# Altium PCB Spectacles.PcbDoc (continued)
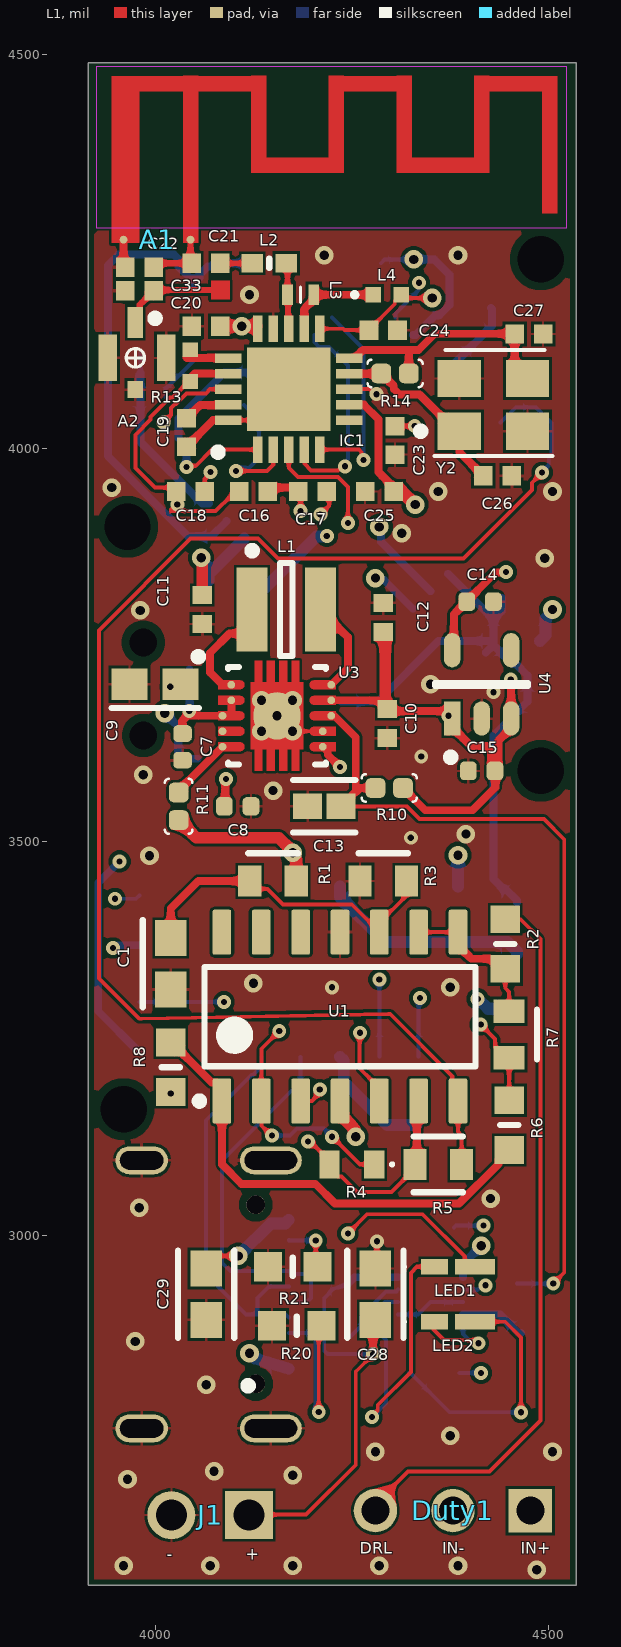
[diagram p0: L1 view]
## Part data (continued)
R20 R21: "Resistor", Manufacturer_Name="UNI-ROYAL(Uniroyal Elec)", Datasheet Link=https://datasheet.lcsc.com/szlcsc/Uniroyal-Elec-0603WAF5101T5E_C23186.pdf, Height=0.55mm, Manufacturer_Part_Number=0603WAF5101T5E
S2: "Switch", Manufacturer_Name="Nidec Copal", Mouser Part Number=229-CUS-12TB, Datasheet Link=https://www.nidec-copal-electronics.com/e/catalog/switch/cus.pdf, Height=1.4mm, Manufacturer_Part_Number=CUS-12TB, Mouser Price/Stock=https://www.mouser.co.uk/ProductDetail/Nidec-Components/CUS-12TB?qs=XeJtXLiO41Q1Ug1dC3Bq%2FQ%3D%3D
SW1: library part CMP-10040-000013-1, "TACT 5.2 X 5.2, 1.5 MM H, 260GF,", Contact Current Rating=50mA, Contact Resistance=100mΩ, Manufacturer=C&K, Operating Force=250gf, Temperature="-20°C to +70°C", Temperature Range High=+70°C, Temperature Range Low=-20°C, Voltage Rating Dc=12V, Automotive=No, Category=Switch, ComponentLink2Description=Datasheet, ComponentLink2URL=https://www.ckswitches.com/media/2780/pts526.pdf, Device Class L1=Electromechanical, Device Class L2=Switches, Device Class L3="Tactile Switches", Digikey Description="TACT 5.2 X 5.2, 1.5 MM H, 260GF,", Electromechanical Life=200000Cycles, Height=1.65mm, Lead Free=Yes, Manufacturer Part Number=PTS526SK15SMTR2LFS, Octopart=https://octopart.com/pts526+sk15+smtr2+lfs-c%26k+components-100617999, Package=PTS526SK15SMTR2LFS, RoHS=TRUE, Standoff Height=0mm, Throw Configuration=SPST-NO
U1: library part CMP-0015-00026-2, "JFET-Input Operational Amplifier, 7 to 36 V, 0 to 70 degC, 14-pin SOIC (D14), Green (RoHS & no Sb/Br)", Manufacturer="Texas Instruments", Rating=Catalog, Total Supply Voltage(Max)(+5V is 5, +/-5V is 10)=36, Total Supply Voltage(Min)(+5V is 5, +/-5V is 10)=7, CMRR(Min)(dB)=75, Code_JEDEC=MS-012, ComponentLink1Description="Manufacturer URL", ComponentLink1URL=http://www.ti.com/, ComponentLink2Description=Datasheet, ComponentLink2URL=http://www.ti.com/lit/ds/symlink/tl084a.pdf, ComponentLink3Description="Package Specification", ComponentLink3URL=http://www.ti.com/lit/ml/mpds177g/mpds177g.pdf, DatasheetVersion=SLOS081G, Eco-Plan="Green (RoHS & no Sb/Br)", GBW(Typ)(MHz)=3, IIB(Max)(pA)=200, Iq per channel(Max)(mA)=2.8, Mounting Technology="Surface Mount", Number of Channels=4, Offset Drift(Typ)(uV/C)=18, PackageDescription="14-Pin Plastic Small Outline, Body 8.65 x 3.90 mm, Pitch 1.27 mm", PackageReference=D0014A, PackageVersion="4040047-5/M, 06/2011", PartNumber=TL084ACDR, Slew Rate(Typ)(V/us)=13, Sub Family="General Purpose Amplifier, High Supply Voltage Amplifier (>=30V)", Vio (25C)(Max)(mV)=6, Vn at 1kHz(Typ)(nV/rtHz)=18
U2: library part CMP-0095-00269-2, "8-bit AVR Microcontroller, 32KB Flash, 1KB EEPROM, 2KB SRAM, 32-pin TQFP, Industrial Grade (-40°C to 85°C)", Code_JEDEC=MS-026-ABA, ComponentLink1Description="Manufacturer URL", ComponentLink1URL=http://www.atmel.com/, ComponentLink2Description="ATmega48A/48PA/88A/88PA/168A/168PA/328/328P Datasheet", ComponentLink2URL=http://www.atmel.com/dyn/resources/prod_documents/doc8271.pdf, ComponentLink3Description="ATmega48A/48PA/88A/88PA/168A/168PA/328/328P Summary", ComponentLink3URL=http://www.atmel.com/dyn/resources/prod_documents/8271S.pdf, DatasheetVersion="revD, May-2011", PackageDescription="32-Lead, 7x7x1.0 mm Body, 0.8mm Lead Pitch, Thin Profile Plastic Quad Flat Package (TQFP)", PackageReference=32A, PackageVersion="revC, Oct-2010", RevisionNote="DatasheetVersion & PackageVersion updated. URLs added."
U3: library part CMP-04918-000043-1, "IC REG BCK BST ADJ 2A 10WSON", Ambient Temperature Range High=+85°C, Ambient Temperature Range Low=-40°C, Manufacturer="Texas Instruments", Max Junction Temp=+125°C, Max Supply Voltage=12V, Min Supply Voltage=2.5V, Nominal Supply Current=30uA, Output Current=1A, Output Voltage=2.5-8V, Package=DSC0010G, Switching Frequency=2400kHz, Temperature="-40°C to +85°C", Automotive=No, Category=IC, ComponentLink2Description=Datasheet, ComponentLink2URL=http://www.ti.com/lit/ds/symlink/tps63060.pdf, Device Class L1="Integrated Circuits (ICs)", Device Class L2="Power Management ICs", Device Class L3="Voltage Regulators - Switching", Digikey Description="IC REG BCK BST ADJ 2A 10WSON", Height=0.8mm, Ipc Land Pattern Name=DFN300X300X70-10, Lead Free=Yes, Manufacturer Part Number=TPS63060DSCR, Max Duty Cycle=100%, Mouser Description="Voltage Regulators - Switching Regulators 2.5-12Vin,2.25A Sw Crnt Limit", Number Of Outputs=1, Octopart=https://octopart.com/tps63060dscr-texas+instruments-21396306, Output Type=AdjustableProgrammable, RoHS=TRUE, Standoff Height=0mm, Switching Topology=Buck-Boost, Temperature Range High=+85°C, Temperature Range Low=-40°C
U4: library part CMP-2000-05782-2, "IC REG LINEAR 3.3V 150MA SOT23-5", Case/Package=SOT-23-5, Dropout Voltage=360mV, Max Input Voltage=24V, Max Operating Temperature=85°C, Max Output Current=250mA, Min Input Voltage=2.3V, Min Operating Temperature=-40°C, Output Current=150mA, Output Voltage=3.3V, Package Quantity=3000, Quiescent Current=50uA, Reference Voltage=1.24V, Height=1.3mm, Lead Free="Lead Free", Length=3.02mm, Mount="Surface Mount", Number Of Outputs=1, Number of Pins=5, Number of Regulators=1, Output Type=Fixed, Packaging="Tape and Reel", Polarity=Positive, Weight=0.001058oz, Width=1.7mm
U5: library part CMP-0321-00456-2, "800 mA, Single-Input, Single Cell Li-Ion Battery Charger with Auto Start. Vovp=6.6 V, 3.5 V, -40 to 85 degC, 10-pin SON (DSQ), Green (RoHS & no Sb/Br)", Manufacturer="Texas Instruments", Over Voltage Protection=N, ComponentLink1Description=Datasheet, ComponentLink1URL=http://www.ti.com/general/docs/lit/getliterature.tsp?genericPartNumber=BQ24040&fileType=pdf, DatasheetVersion=SLUS941A, Eco-Plan="Green (RoHS & no Sb/Br)", Lead Acid=N, Li-Ion=N, Li-Polymer=N, Mounting Technology="Surface Mount", NiCd=N, NiMH=N, PackageDescription="10-Pin Plastic Small Outline No-Lead, 2 x 2 x 0.8 mm Body, 0.4 mm Pitch, Exposed Pad", PackageReference=DSQ0010A, PackageVersion="revB, Apr-2010", PartNumber=BQ24040DSQR, SubFamily="Battery Charge Management", Vin(Min)(V)=3.5
U6: "USB to serial chip CH340", Package=None, Availability="Not in stock", Check_prices=https://www.snapeda.com/parts/CH340C/WCH/view-part/?ref=eda, MF=WCH, MP=CH340C, Price=None, SnapEDA_Link=https://www.snapeda.com/parts/CH340C/WCH/view-part/?ref=snap
Y1 Y2: library part CMP-2000-05039-3, "Crystal 12MHz ±20ppm (Tol) ±30ppm (Stability) 18pF FUND 120Ω 4-Pin SMD T/R", Case/Package=CSMD, ESR (Equivalent Series Resistance)=120R, Frequency=12MHz, Frequency Stability=30ppm, Frequency Tolerance=20ppm, Load Capacitance=18pF, Max Operating Temperature=85°C, Min Operating Temperature=-40°C, Operating Frequency="12 MHz", Package Quantity=1000, Depth=2.5mm, Height=1mm, Lead Free="Lead Free", Length=3.2mm, Mount="Surface Mount", Number of Pins=4, Packaging="Tape and Reel", Radiation Hardening=No, Series=ABM8G, Series Resistance=120R, Termination=SMD/SMT, Tolerance=20ppm, Width=2.5mm

## Free pads (board coordinates)
  round 0 hole 59.06 unplated: 2(3960,3160) 2(3965,3900)
  round 0 hole 59.06 unplated paste-99999: 2(4490,3590) 2(4490,4240)

## Via types
v1: diameter 17.72/17.72/17.72/17.72/17.72/17.72 (per signal layer), hole 7.87, L1 to L6, tented both sides, 52 vias
v2: diameter 23.62, hole 11.81, L1 to L6, tented both sides, 34 vias
v3: diameter 23.62/23.62/23.62/23.62/23.62/23.62 (per signal layer), hole 11.81, L1 to L6, tented both sides, 18 vias
v4: diameter 17.72, hole 7.87, L1 to L6, tented both sides, 1 vias

## Nets (pads, with @x,y where several pads share a name; then routed paths per layer and width w, separated by ;. In a path a pad name is that pad's centre, name@x,y a point inside that pad or via, vN(x,y) a via of type N, cw(c..) or ccw(c..) an arc to the next point about the centre after c; other vN are vias at no path point)
+3.3V: C14.2 C20.2 C25.1 IC1.7 IC1.15 U4.5 | length 358.2
  L1 w10: IC1.7 4265.3,4055.32 4283.86,4036.76 4283.86,3969.65 4303.11,3950.39 C25.1@4303.11,3950 ; U4.5 4379.72,3745.45 4379.72,3764.54 4379.72,3789.09 4389.21,3798.58 4390.56,3798.58 4396.14,3804.16 4396.14,3805.84 4402.11,3811.81 4402.44,3811.81 4432.85,3842.22 4445.33,3842.22 v1(4445.96,3842.85)
  L1 w15: C20.2 v3(4110,4155) IC1.15@4129.04,4155 ; C25.1@4303.11,3950 4303.11,3949.61 4307.42,3945.3 4313.66,3945.3 v3(4330.54,3928.42)
+5V: C2.2 C10.2 C11.2 C12.2 C15.2 C30.2 C34.1 C35.1 R1.1 R9.2 R10.2 R11.2 U1.4 U2.4 U2.6 U2.18 U3.9 U4.1 U4.3 U6.16 | length 1693.3
  L1 w10: U3.9 4290.53,3679.69 C10.2@4295,3675.22 ; C10.2@4295,3678.87 C10.2@4295,3675.22 ; R10.2 4343.33,3540 4403.46,3540 4432.52,3569.06 4432.52,3589.41 C15.2 ; U4.1@4372.39,3640.22 4377.6,3645.43 4400.89,3622.14 ; v1(4372.9,3659.96) 4376.18,3656.67 U4.1 ; U4.1@4377.6,3660.36 4372.05,3665.91 4300,3665.91 4295,3670.91 C10.2@4295,3675.22 ; 4401.59,3621.43 4421.01,3621.43 4426.87,3615.57 4426.87,3596.76 4427.92,3595.7 4436.45,3595.7 4436.45,3628.54 4452.4,3644.49 4452.4,3705.6 v1(4452,3706)
  L1 w15: R11.2 4052.39,3505.11 4157.44,3505.11 4174.96,3487.59 v3(4174.96,3485.85) ; v3(4058.58,3860.71) 4060,3859.29 C11.2@4060,3817.42 ; v3@4175,3485 4175,3483.48 4179.53,3478.95 R1.1 R1.1@4179.53,3445 ; U1.4 4235,3153.7 4253.35,3135.35 4253.35,3126.65 v3(4255,3125) ; C12.2@4290,3759.56 4292.5,3757.06 4292.5,3681.37 C10.2@4295,3678.87
  L3 w15: v3(4058.58,3860.71) 4086.33,3888.46 v1(4218.25,3888.46)
  L6 w5: C2.2 4291.6,4239.67 4328.54,4239.67 v3(4328.78,4239.91)
  L6 w10: U2.18 4331.32,4143.99 4356.34,4169.01 4361.23,4169.01 4374,4181.78 4374,4220.81 4354.91,4239.91 v3(4328.78,4239.91)
  L6 w15: v3(4058.58,3860.71) 4058.58,3858.38 4068.03,3848.92 C35.1 ; C35.1@4068.03,3839.84 U2.6 ; C34.1 4118.03,3786.4 4125,3793.37 4125,3807.73 4205.21,3887.94 4217.73,3887.94 v1(4218.25,3888.46) ; U6.16 v3(4385,3482.87) ; v1(4410,3300) 4410.74,3300 4423.18,3287.56 C30.2 ; R9.2 4496.32,3762.26 4496.32,3783.99 4505,3792.67 v3(4505,3795)
AT: C21.1 L2.2 | length 44.6
  L1 w6.76: C21.1@4080,4231.89 C21.1 L2.2
CE: IC1.1 U2.12 | length 303.3
  L1 w5: v1(4040,3976.22) 4041.48,3977.7 4051.84,3977.7 4072.37,3998.23 IC1.1
  L6 w10: v1(4040,3976.22) 4040,4002.76 4029.63,4013.12 4029.63,4037.57 4088.03,4095.97 4116.76,4095.97 U2.12
CSN: IC1.2 U2.11 | length 180.9
  L1 w5: v1(4102.96,3971.06) 4142.33,3971.06 4150.32,3979.05 IC1.2
  L6 w5: v1(4102.96,3971.06) 4106.4,3971.06 4110.34,3975 4119.54,3975 4132.07,3987.53 4132.07,4036.12 U2.11
D+: J2.A6 J2.B6 U6.5 | length 481.5
  L6 w5: J2.A6 4193.03,2915 4198.44,2920.41 4198.44,2947.29 4194.76,2950.96 4173.41,2950.96 J2.B6 4095.63,2954.37 4085,2965 4085,3095 4185,3195 U6.5
D-: J2.A7 J2.B7 U6.6 | length 501.3
  L6 w5: U6.6 4135,3213.85 4124.64,3203.5 4122.4,3203.5 4065,3146.1 4065,2950 4115.53,2899.47 4130,2899.47 ; J2.B7 4165.84,2899.47 4130,2899.47 ; J2.A7 4144.69,2934.69 4130,2920 4130,2899.47
GND: A1.2 A2.2 A2.3 A2.4 C1.2 C2.1 C3.1 C4.2 C5.1 C6.1 C7.1 C8.1 C9.2 C10.1 C11.1 C12.1 C13.1 C14.1 C15.1 C20.1 C22.1 C23.1 C24.1 C25.2 C26.1 C27.1 C28.2 C29.2 C30.1 C32.1 C33.1 C34.2 C35.2 IC1.8 IC1.14 J1.2 J2.A1_B12 J2.B1_A12 J2.S1 J2.S2 J2.S3 J2.S4 R3.2 R12.1 R17.1 R18.1 R19.1 R20.1 R21.2 S2.3 S2.MP1 S2.MP2 S2.MP3 S2.MP4 SW1.1 SW1.2 U1.11 U2.3 U2.5 U2.21 U3.7 U3.11 U4.2 U5.3 U5.7 U5.11 U6.1 Y1.2 Y1.4 Y2.2 Y2.4 | length 336.7
  L1 w5: C9.2 C9.2@3976,3700 ; U3.11@4165,3635 v3@4174.69,3635 ; v3(4174.69,3640.32) U3.7 ; IC1.8 4272.61,4075 4278.97,4068.64 v1(4281.36,4068.64) ; C28.2 4281.91,2959.47 v4(4281.91,2992.2)
  L1 w10: A1.2 3960,4231.89 C22.1
  L6 w5: C6.1 4013.11,4075 4048.47,4110.36 Y1.2 ; v3@4165,3635 v3(4174.69,3640.32) ; U5.7 4334.25,2899.25 U5.11 U5.3
  other v1: 4225,3315 4325,3505 4338.23,3608.11 4430,3690
  other v2: 4485,2575 3960,2580 4070,2580 4175,2580 4285,2580 4385,2580 3965,2690 4175,2695 4075,2700 4280,2725 4505,2725 4375,2745 4065,2810 3975,2865 3980,3035 4426.37,3046.56 4375,3315 4125,3320 3992.92,3482.08 4395,3509.69 4150,3565 3985,3585 4350,3700 3981.15,3793.85 4495,3860 4313.44,3892.07 4360,3945 4505,3945 3945,3950 4120,4195 4215,4245 4385,4245
  other v3: 4135.32,3640.32 4155,3660 4135.32,3679.69 4174.69,3679.69
MISO: IC1.5 U2.16 | length 263.5
  L1 w5: IC1.5 4259.24,3998.23 4262.57,3994.9 4262.57,3987.43 v1(4265,3985)
  L6 w5: U2.16 4258.09,4132.81 4265,4125.9 v1(4265,3985)
MOSI: IC1.4 U2.15 | length 268.9
  L1 w5: IC1.4 4189.69,3980.31 4198.3,3971.7 4232.57,3971.7 4237.82,3976.96 v1(4241.26,3976.96)
  L6 w5: U2.15 4202.36,4135 4208.6,4128.76 4221.24,4128.76 4245,4105 4245,3986.25 4243.69,3984.94 4243.69,3979.39 v1(4241.26,3976.96)
NetA1_1: A1.1 C21.2 C22.2 | length 81.6
  L1 w8.11: C22.2 4003.11,4235 C21.2 4045,4236.89 A1.1
NetA2_1: A2.1 C33.2 | length 133.5
  L1 w8.11: A2.1 3980.79,4165.79 3980.79,4182.28 3998.11,4199.61 C33.2 3999.11,4201 4076,4201 4080,4205
NetC1_1: C1.1 R1.2 R3.1 U1.10 | length 421.3
  L1 w5: R1.2@4120.47,3445 4120.47,3440 4142.65,3440 4162.59,3420.06 4249.94,3420.06 U1.10 4285,3397 4320,3432 R3.1@4320,3445
  L1 w10: C1.1 4020,3415 4055,3450 4115.47,3450 R1.2@4120.47,3445
NetC4_1: C4.1 U2.20 | length 102.4
  L6 w10: U2.20 4428.31,4155.58 4428.31,4176.69 C4.1
NetC5_2: C5.2 U2.7 Y1.1 | length 667.3
  L6 w10: Y1.1 4056.77,4216.61 4044.1,4216.61 4029.84,4230.87 4029.84,4240.14 4023.99,4246 3953.79,4246 3940,4232.21 3940,3990 4041.97,3888.03 4071.67,3888.03 U2.7 ; Y1.1@4054.8,4218.58 4067.09,4230.87 4071.02,4230.87 4075.16,4235 C5.2
NetC6_2: C6.2 U2.8 Y1.3 | length 265.9
  L6 w5: C6.2 3976.89,4091 3981.54,4095.65 Y1.3
  L6 w10: Y1.3@3981.54,4095.65 3981.54,4091 3981.54,4065 3981.54,4008.02 4059.92,3929.63 U2.8
NetC7_2: C7.2 C8.2 S2.2 U3.2 U3.3 | length 300.8
  L1 w10: C7.2 4034.74,3637.7 4034.74,3654.14 4040.6,3660 U3.3 4095.04,3660 4096.93,3661.89 U3.2 ; v1@4041.42,3660.45 4041.96,3661 4041.96,3664.5 v1(4043.44,3665.97) ; C8.2 4089.14,3546.07 4089.14,3578.54 v1(4090.22,3579.61)
  L3 w10: v1(4043.44,3665.97) 4041.96,3664.5 4041.96,3627.54 4089.89,3579.61 v1(4090.22,3579.61)
  L6 w10: v1@4043.9,3666.81 S2.2@4043.9,3718.58
NetC9_1: C9.1 U3.6 | length 292.6
  L1 w10: U3.6 4219.38,3614.32 4219.38,3610.62 v1(4235,3595)
  L3 w10: v1(4019.36,3696.88) 4039.2,3696.88 4141.08,3595 v1(4235,3595)
NetC13_2: C13.2 R10.1 R12.2 U3.8 | length 1082.2
  L1 w5: C13.2@4238.62,3545 4320,3545 4336,3529 4494,3529 4520,3503 4520,2952.5 v1(4506,2938.5)
  L1 w10: U3.8 4227.65,3660 4255,3632.65 4255,3563.72 4249.61,3558.33 C13.2@4249.61,3555.99 ; C13.2 4238.62,3545 C13.2@4249.61,3555.99 ; C13.2@4249.61,3557.3 C13.2@4249.61,3555.99 ; 4255.52,3563.2 4260.57,3568.26 R10.1
  L6 w5: R12.2 v1(4506,2938.5)
NetC16_1: C16.1 C17.1 C18.1 IC1.17 R13.2 | length 634.8
  L1 w5: v1@4026.89,3929.1 4026.89,3950 4000,3950 3975,3975 3975,4017.01 3994.42,4036.42 3994.42,4039.59 4019.25,4064.42 4022.41,4064.42 4035.98,4077.99 4037.66,4077.99 4039.71,4080.05 R13.2@4039.71,4081.72 ; v1(4028.33,3928.33) 4026.12,3928.33 4020,3922.21 4020,3920 4076.89,3920 4096.44,3939.55 4096.83,3939.55 C16.1@4106.89,3949.61 ; v1(4210,3915.61) 4221.22,3926.82 C17.1@4221.22,3950
  L1 w10: R13.2@4040,4084.84 4040.49,4084.84 4050.48,4094.83 4072.51,4094.83 4072.66,4094.69 IC1.17
  L3 w5: v1(4028.33,3928.33) 4028.33,3911.67 4036.36,3903.64 4198.03,3903.64 v1(4210,3915.61)
NetC16_2: C16.2 C17.2 C18.2 IC1.18 | length 433.8
  L1 w5: v1(4010.78,4032.81) 4020.28,4042.31 4020.28,4050.89 4025.31,4055.92 4026.37,4055.92 4039.94,4069.49 4064.49,4069.49 4070,4075 IC1.18 ; C18.2@4063.11,3950 4063.11,3960.7 4070.41,3968 v1(4070.41,3969.59) ; 4170,3950 4175.69,3950 4177.99,3947.7 4177.99,3942.01 4178.29,3942.01 4185,3935.3 v1(4185,3920)
  L1 w10: C16.2@4143.11,3950 4170,3950 C17.2@4185,3950
  L3 w5: v1(4010.78,4032.81) 4010.78,4031.02 4070.41,3971.38 v1(4070.41,3969.59) ; v1@4070,3970 4070,3968.31 4112.31,3926 4140.91,3926 4146.91,3920 v1(4185,3920)
NetC19_1: C19.1 IC1.20 IC1.21 | length 183.6
  L1 w5: IC1.20 4170,4035.63 IC1.21
  L1 w10: C19.1 4040.39,4001.89 4047.2,4008.7 4047.2,4009.09 4073.74,4035.63 IC1.20
NetC19_2: C19.2 IC1.19 | length 60.4
  L1 w10: C19.2 4040.39,4038.11 4057.03,4054.75 4092.66,4054.75 IC1.19
NetC26_2: C26.2 IC1.9 R14.1 Y2.1 | length 241.7
  L1 w10: IC1.9 4287.81,4094.69 4303.4,4079.1 4303.4,4075.42 4310.47,4068.35 4335.95,4068.35 4382.76,4021.54 Y2.1 4386.69,3995.2 4409.69,3972.2 4410.08,3972.2 4416.89,3965.39 C26.2
NetC27_2: C27.2 IC1.10 R14.2 Y2.3 | length 336.2
  L1 w5: Y2.3@4456.89,4100.95 4456.89,4088.46 Y2.3@4469.37,4088.46
  L1 w10: IC1.10 4257.6,4114.37 4258.5,4115.28 4258.5,4119.14 4264.36,4125 4320,4125 ; R14.2 4322.5,4122.5 4320,4125 ; C27.2@4448.11,4145 4448.11,4145.39 4355.39,4145.39 4335,4125 4320,4125 ; C27.2 4456.89,4104.88 Y2.3
NetC28_1: C28.1 J1.1 R15.2 R16.2 S2.1 U5.10 | length 860.2
  L1 w5: J1.1@4105,2645 4192,2645 4255,2708 4255,2826.54 4276.95,2848.49 v1(4276.95,2848.78)
  L1 w10: v1(4276.95,2848.78) 4276.95,2889.39 C28.1
  L3 w5: v1(4276.95,2848.78) 4277.7,2848.78 4314.44,2825 v1(4414.14,2825)
  L6 w3.5: 4215,2854.5 ccw(c4222,2854.54) 4215.2,2852.9
  L6 w5: 4215,2854.51 4215,2919.74 4215.94,2920.75 4225.84,2931.4 R15.2 ; 4215.2,2852.9 4217.05,2851.04 4218.42,2849.92 4219.8,2848.78 4221.59,2848.78 v1(4276.95,2848.78) ; U5.10 U5.10@4309,2946.5 ; R16.2 v1(4414.14,2825)
  L6 w10: v3(4012.41,3663.27) 4029.37,3646.3 4029.37,3614.25 4038.15,3605.47 S2.1 ; R15.2 4253.6,2946.5 U5.10
NetC31_1: C31.1 U6.13 | length 270.2
  L6 w15: U6.13 4235,3429.69 4291.95,3372.74 4447.58,3372.74 4460,3360.32 C31.1
NetC32_2: C32.2 U6.4 | length 149
  L6 w15: U6.4 4239.7,3222.03 4239.7,3195.3 4295,3140 C32.2
NetDuty1_1: Duty1.1 U1.5 | length 863.1
  L1 w5: v1(4260.3,3257.23) 4260,3256.93 4260,3212.16 4275.2,3196.97 U1.5
  L3 w5: v1(4260.3,3257.23) 4270.28,3247.26 4379.49,3247.26 4481.36,3145.39 4481.36,2768.22 4468.43,2755.29 Duty1.1@4468.43,2650
NetDuty1_2: Duty1.2 U1.3 | length 800.8
  L1 w5: U1.3 4199.26,3170.43 4206.61,3177.78 4206.61,3182.28 v1(4209.33,3185)
  L3 w5: v1(4209.33,3185) 4380,3185 4450,3115 4450,2790 4370,2710 Duty1.2@4370,2650
NetDuty1_3: Duty1.3 R2.2 | length 932.3
  L1 w5: Duty1.3@4271.57,2650 4321.57,2700 4425,2700 4489.64,2764.64 4489.64,3376.36 4464.5,3401.5 R2.2
NetIC1_12: IC1.12 L3.1 L4.1 | length 123.8
  L1 w10: IC1.12 4189.69,4177.05 4201.73,4189.09 L3.1 L4.1
NetIC1_13: IC1.13 L2.1 L3.2 | length 84.6
  L1 w6.76: L2.1 4168.27,4233.39 L3.2 4169.13,4194.13 4169.13,4152.64 IC1.13
NetIC1_16: IC1.16 R13.1 | length 53.6
  L1 w10: 4040,4115.16 4040.39,4114.76 4092.83,4114.76 IC1.16
NetJ2_A5: J2.A5 R20.2 | length 245.5
  L1 w5: v1(4207.99,2775.41) 4207.99,2885 R20.2
  L6 w5: J2.A5 4198,2875.63 4203.96,2869.67 4203.96,2779.44 v1(4207.99,2775.41)
NetJ2_B5: J2.B5 R21.1 | length 68.7
  L1 w5: v1(4204.19,2993.44) 4204.19,2962.3 R21.1
  L6 w5: J2.B5 4170.3,2993.44 v1(4204.19,2993.44)
NetL1_1: L1.1 U3.1 | length 143.8
  L1 w10: U3.1 4085.71,3699.37 4070,3715.08 4070,3740 4094.56,3764.56 4108.7,3764.56 4123.38,3779.24 L1.1
NetL1_2: L1.2 U3.10 | length 118.9
  L1 w10: L1.2 4245,3760 4245,3720.47 U3.10
NetLED1_1: LED1.1 U5.8 | length 421.3
  L1 w5: v1(4275.61,2769) 4275.61,2770.17 4283.02,2777.58 4283.02,2784.02 4325,2826 4325,2952 4333,2960 LED1.1
  L6 w5: v1(4275.61,2769) 4293.31,2786.7 4293.31,2866.69 4275,2885 4275,2897.98 4292.02,2915 U5.8
NetLED1_2: LED1.2 R15.1 | length 202.3
  L1 w5: v1(4245,3002.1) 4269.51,3026.62 4340.04,3026.62 4393.61,2973.04 4393.61,2968.09 4401.71,2960 LED1.2
NetLED2_1: LED2.1 U5.5 | length 109.8
  L1 w5: LED2.1 4354,2890 4354,2880 4366.54,2867.46 4410.93,2866.1 4410.93,2862.8 v1(4410.83,2862.69)
  L6 w5: U5.5 4391.34,2874.66 4400.88,2865.12 4408.39,2865.12 v1(4410.83,2862.69)
NetLED2_2: LED2.2 R16.1 | length 324.4
  L1 w5: LED2.2 4445,2890 4465,2870 v1(4465,2775)
  L6 w5: R16.1 4324.33,2825 4374.33,2775 v1(4465,2775)
NetR2_1: R2.1 R7.2 U1.8 U1.9 | length 195.1
  L1 w5: U1.9 U1.8 ; R2.1 4445,3314 4450,3309 R7.2
  L1 w10: U1.8 4385,3368.27 4402.05,3351.22 4432.28,3351.22 R2.1
NetR4_1: R4.1 R6.1 R7.1 U1.2 | length 702.2
  L1 w5: v1(4148.77,3126.69) 4147.75,3126.69 4135,3139.44 4135,3236.55 v1(4157.84,3259.39) ; v1(4224.89,3125) 4225.5,3125 4260.5,3090 R4.1 ; v1(4413.75,3267.85) 4432.06,3249.53 4432.06,3238.49 4445.08,3225.47 R7.1 4450,3212 R6.1
  L1 w10: R7.1@4450,3212 R7.1
  L3 w5: v1(4157.84,3259.39) 4183.45,3285 4392.75,3285 4409.9,3267.85 v1(4413.75,3267.85)
  L6 w5: v1(4148.77,3126.69) 4171.3,3126.69 4180.22,3135.61 4214.43,3135.61 4224.89,3125.14 v1(4224.89,3125)
NetR4_2: R4.2 R5.2 R8.2 U1.6 | length 476.9
  L1 w5: v1(4020,3180) R8.2 ; v1(4194.39,3118.88) v1@4200,3118.88 ; v1@4200,3120 v1@4200,3118.88 ; R5.2@4332.74,3092.26 4332.74,3087.34 4300.39,3055 4256.47,3055 4236.93,3074.54 4232.5,3074.54 4221.47,3085.57 R4.2 4221.46,3094.92 4200,3116.38 v1@4200,3118.88
  L1 w10: R5.2 4332.74,3092.26 4332.74,3168.17 U1.6
  L3 w5: v1(4020,3180) 4022,3182 4131.27,3182 v1(4194.39,3118.88)
NetR5_1: R5.1 U1.7 U2.23 | length 1884.2
  L1 w5: R5.1 4389.53,3127 4385,3131.53 U1.7 4377.52,3177.91 4377.52,3202.48 4300.11,3279.89 4298.65,3281.35 4296.48,3281.35 3982.9,3275 3980,3275 3978.97,3276.03 3928.64,3326.36 3928.64,3768.64 4045,3885 4131,3885 4156,3860 4392,3860 4479,3947 4479,3956.14 v1(4491.84,3968.99)
  L6 w5: U2.23 4458.36,4052 4484,4052 4504,4032 4504,3991 4500.25,3987.25 4500.25,3978.06 4491.84,3969.65 v1(4491.84,3968.99)
NetR6_2: R6.2 R8.1 U1.1 | length 603.2
  L1 w10: R8.1 4020.98,3245 4072.01,3193.98 4078.19,3193.98 4085,3187.16 U1.1 4085,3090 4109.72,3065.28 4203.65,3065.28 4228.64,3040.28 4386.28,3040.28 4436.3,3090.3 4436.3,3095.79 4449.02,3108.5 R6.2
NetR17_2: R17.2 U5.2 | length 164.1
  L3 w5: v1(4417.22,3012.19) 4440,2989.41 4440,2954 4422.3,2936.3 v1(4419.76,2936.3)
  L6 w5: R17.2 4382.19,3012.19 v1(4417.22,3012.19) ; U5.2 4410.36,2930.75 4415.91,2936.3 v1(4419.76,2936.3)
NetR18_2: R18.2 U5.4 | length 83.5
  L6 w10: U5.4 4438.39,2899.25 4462.05,2875.59 R18.2
NetR19_2: R19.2 U5.9 | length 95.8
  L6 w5: R19.2 4247.95,2870.59 4261.95,2884.59 4261.95,2896.95 4293.72,2928.72 4306.63,2928.72 U5.9
NetR22_1: R22.1 U2.30 | length 901.8
  L3 w10: v1(3946.73,3365) 3946.73,3366.14 3927.87,3385 3927.87,3658.42 3990,3720.55 4105.55,3720.55 v2(4285,3900)
  L6 w10: v1(3946.73,3365) 3948.82,3365 3952.32,3368.5 R22.1 ; v2(4285,3900) 4287,3898 4287,3881.19 U2.30
NetR22_2: R22.2 U6.3 | length 551.1
  L3 w5: v1(3949.2,3427.53) 4097.59,3427.53 4101.06,3431 4246,3431 4285,3392 v1(4285,3325)
  L6 w5: v1(3949.2,3427.53) 3976.04,3427.53 R22.2 ; U6.3 v1(4285,3325)
NetR23_1: R23.1 U2.31 | length 971
  L3 w10: v1(3955,3475) 4010,3530 4245,3530 4280,3565 v2(4280,3835)
  L6 w10: v1(3955,3475) 3927.87,3447.87 3927.87,3284.65 3979.02,3233.5 R23.1 ; v2(4280,3835) 4282.61,3832.39 4291.25,3832.39 U2.31
NetR23_2: R23.2 U6.2 | length 433.9
  L3 w5: v1(4087.5,3296.5) 4087.88,3296.87 4317.77,3296.87 4322.26,3301.36 v1(4336.63,3301.36)
  L6 w5: R23.2 v1(4087.5,3296.5) ; U6.2 4335,3299.73 v1(4336.63,3301.36)
PG: R11.1 U3.5 | length 80
  L1 w10: R11.1@4029.89,3564.81 4031.63,3564.81 4036.73,3569.9 4036.73,3571.65 U3.5
RST: C3.2 C31.2 R9.1 SW1.3 SW1.4 U2.29 | length 764.7
  L6 w10: SW1.3 4282.83,3677.83 4360,3755 R9.1 ; U2.29 4430,3782.73 ; R9.1@4420.24,3740.31 R9.1@4430,3750.08 ; C3.2 4440,3792.73 4430,3782.73 ; C31.2 4460,3425.43 4445.08,3440.36 4442.2,3440.36 4430,3452.56 4430,3634.72 SW1.4 4473.11,3711.56 4458.73,3725.94 4454.14,3725.94 R9.1@4430,3750.08 ; R9.1@4430,3750.08 R9.1 ; R9.1 4430,3782.73
SCK: IC1.3 U2.17 | length 563.6
  L1 w5: IC1.3 4170,3975 4181.8,3963.2 4232.41,3963.2 4245,3950.61 v1(4245,3905)
  L3 w5: v1(4245,3905) 4247,3907 4265.11,3907 4265.69,3907.58 4265.69,3908 4297.72,3940.03 4297.72,4172.61 v1(4335.33,4210.22)
  L6 w5: U2.17 4305.37,4171.18 4335,4200.82 4335,4209.89 v1(4335.33,4210.22)
USB: C29.1 J2.A4_B9 J2.B4_A9 U5.1 | length 235.1
  L1 w5: C29.1 4081.12,2973.68 v3(4105.62,2973.68)
  L6 w10: U5.1 4391.34,2963.36 v3(4414.63,2986.65)
  L6 w15: v3(4105.62,2973.68) 4106.04,2973.68 4147.38,3015.02 4165.69,3015.02 J2.B4_A9 ; v3(4120,2850) 4126.68,2843.32 4155.06,2834.66 J2.A4_B9
VDD_PA: C23.2 C24.2 IC1.11 L4.2 | length 363.3
  L1 w5: IC1.11 4239,4151.77 4240.77,4150 C24.2 4271.89,4150.39 4304.63,4183.13 4304.63,4186.91 L4.2 4316.9,4190.82 v3(4352.19,4190.82) ; C23.2 v1(4330,4028.11)
  L3 w5: v1(4330,4028.11) 4330,4164.65 4352.19,4186.84 v3(4352.19,4190.82)
pads on no net: IC1.6 J2. J2.A8 J2.B8 S2.MH1 S2.MH2 U1.12 U1.13 U1.14 U2.1 U2.2 U2.9 U2.10 U2.13 U2.14 U2.19 U2.22 U2.24 U2.25 U2.26 U2.27 U2.28 U2.32 U3.4 U4.4 U5.6 U6.7 U6.8 U6.9 U6.10 U6.11 U6.12 U6.14 U6.15

## Polygon pours and split planes (outlines as drawn)
NetC28_1 on L4 "NONET_L-01_P-001" (solid, pour order 11): 3945,3675 4050,3675 4055,3670 4055,2740 4105,2690 4170,2690 4170,2585 4090,2585 3945,2730
+5V on L4 "NONET_L-01_P-001" (solid, pour order 9): 4025,3910 4285,3910 4480,3715 4480,3330 4255,3105 4225,3105 4225,3415 4130,3510 4130,3690 4025,3795
+3.3V on L4 "NONET_L-01_P-001" (solid, pour order 8): 4070,4190 4185,4190 4455,3920 4455,3765 4165,4055 4150,4055 4070,4135
USB on L4 "NONET_L-01_P-001" (solid, pour order 10): 4060,2995 4450,2995 4450,2960 4380,2890 4205,2890 4155,2840 4140,2840 4060,2840
+5V on L4 "NONET_L-01_P-001" (solid, pour order 12): 4300,4265 4355,4265 4355,4180 4520,4015 4520,3370 4475,3325 4475,3920 4300,4095
GND on L2 "GND_L02_P002" (solid, pour order 2): 3915,2521.5 3915,4490 4535,4490 4535,2521.5
GND on L5 "GND_L05_P004" (solid, pour order 4): 3915,2521.5 3915,4490 4535,4490 4535,2521.5
GND on L3 "GND_L03_P005" (solid, pour order 5): 3915,2521.5 3915,4490 4535,4490 4535,2521.5
GND on L1 "GND_L01_P006" (solid, pour order 6): 3915,2521.5 3915,4490 4535,4490 4535,2521.5
GND on L6 "GND_L06_P007" (solid, pour order 7): 3915,2521.5 3915,4490 4535,4490 4535,2521.5

## Other copper
L1:
  rectangle net NetA2_1: 4071,4189 4095,4213

## Silkscreen, mask and mechanical layers (free items; w line width, h text height)
Top Overlay:
  lines w5: 4355,3990 4505,3990
  text "DRL" at 4260,2595 h15
  text "IN-" at 4365,2595 h15
  text "IN+" at 4465,2595 h15
  text "-" at 4015,2587.5 h15
  text "+" at 4115,2587.5 h15
Bottom Overlay:
  drawing of 2 lines, arcs and shapes, not listed
  text "PULSE" at 4191.34,4384.82 h30
Mechanical 1:
  the board outline again, w10